# Altium PCB Electronic Load 20251104.PcbDoc (part 1 of 4) (continued)
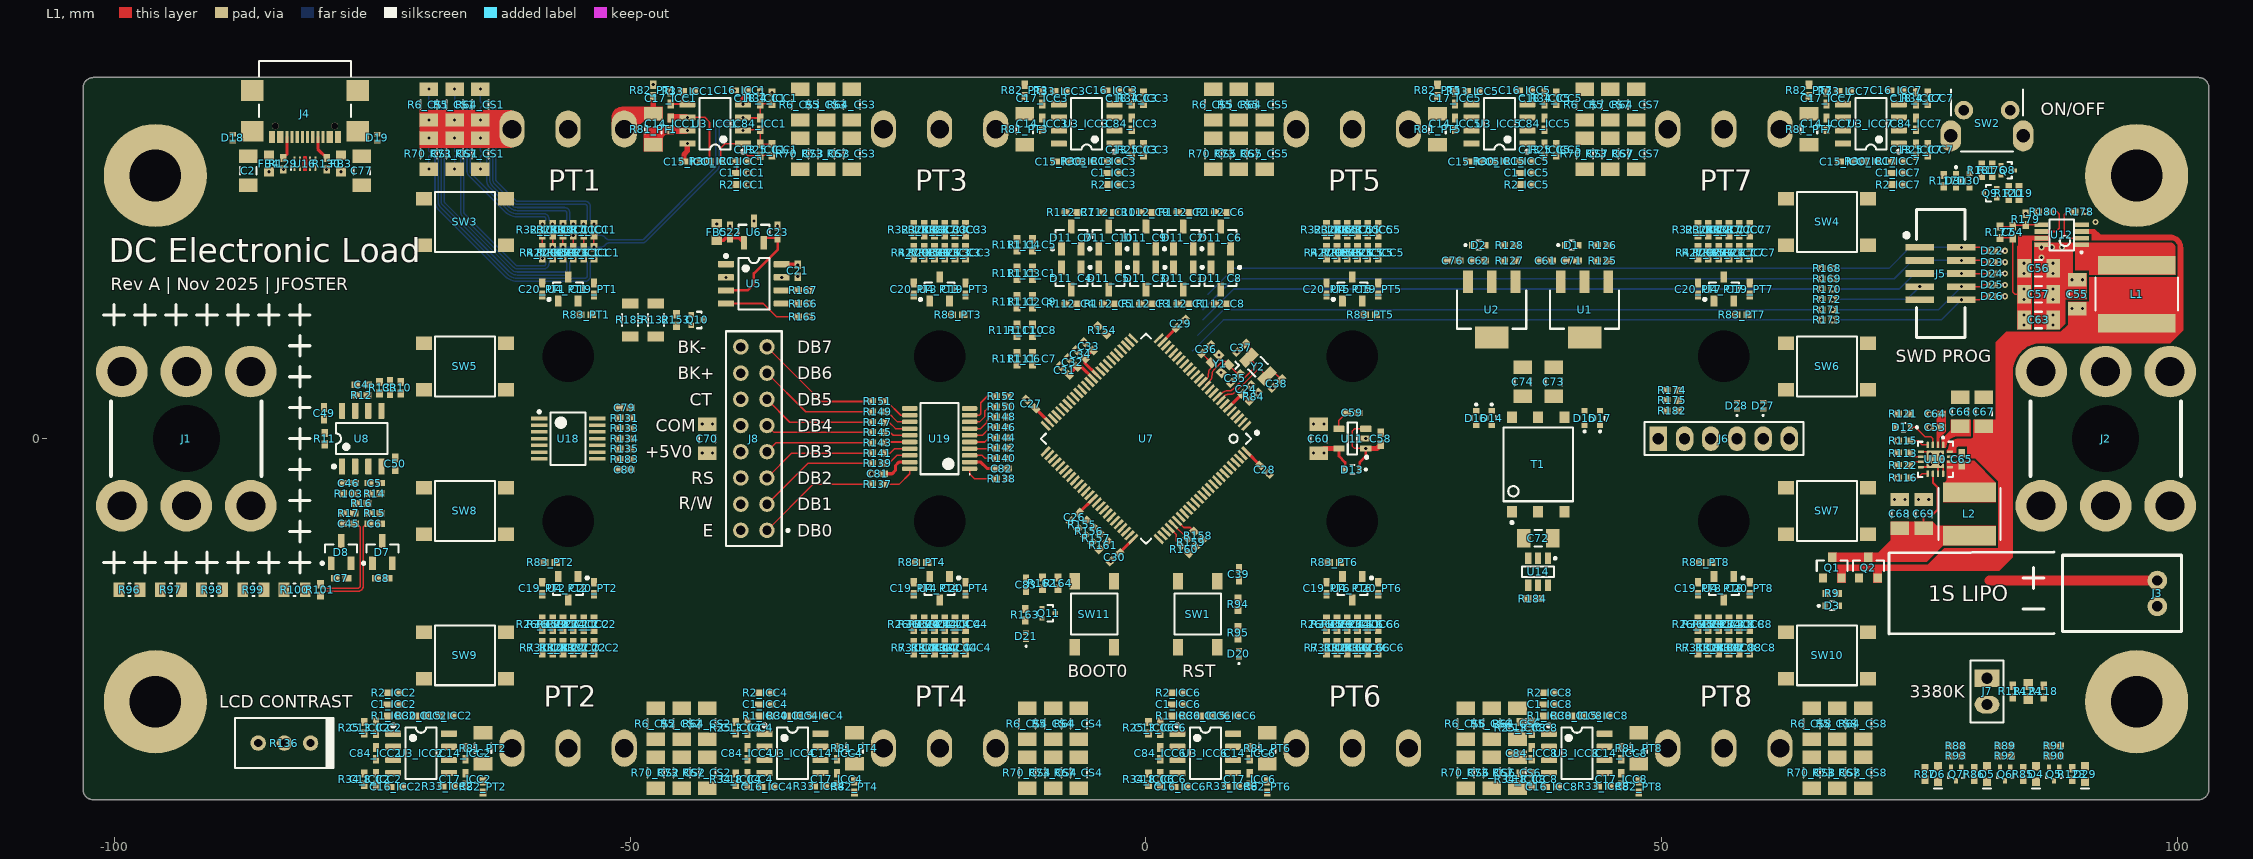
[diagram p0: L1 view]
## Components (designator, comment, footprint, x,y, rotation, side; value= is the part's Value field where it differs from the comment) (continued)
C19_PT4 "100nF,10%,50V,X7R,0402" CAPC1005X06N -22.5,-14.5 r90 top value=100n (schematic designator C19)
C19_PT5 "100nF,10%,50V,X7R,0402" CAPC1005X06N 22.5,14.5 r270 top value=100n (schematic designator C19)
C19_PT6 "100nF,10%,50V,X7R,0402" CAPC1005X06N 17.5,-14.5 r90 top value=100n (schematic designator C19)
C19_PT7 "100nF,10%,50V,X7R,0402" CAPC1005X06N 58.5,14.5 r270 top value=100n (schematic designator C19)
C19_PT8 "100nF,10%,50V,X7R,0402" CAPC1005X06N 53.5,-14.5 r90 top value=100n (schematic designator C19)
C20_PT1 "100nF,10%,50V,X7R,0402" CAPC1005X06N -58.5,14.5 r270 top value=100n (schematic designator C20)
C20_PT2 "100nF,10%,50V,X7R,0402" CAPC1005X06N -53.5,-14.5 r90 top value=100n (schematic designator C20)
C20_PT3 "100nF,10%,50V,X7R,0402" CAPC1005X06N -22.5,14.5 r270 top value=100n (schematic designator C20)
C20_PT4 "100nF,10%,50V,X7R,0402" CAPC1005X06N -17.5,-14.5 r90 top value=100n (schematic designator C20)
C20_PT5 "100nF,10%,50V,X7R,0402" CAPC1005X06N 17.5,14.5 r270 top value=100n (schematic designator C20)
C20_PT6 "100nF,10%,50V,X7R,0402" CAPC1005X06N 22.5,-14.5 r90 top value=100n (schematic designator C20)
C20_PT7 "100nF,10%,50V,X7R,0402" CAPC1005X06N 53.5,14.5 r270 top value=100n (schematic designator C20)
C20_PT8 "100nF,10%,50V,X7R,0402" CAPC1005X06N 58.5,-14.5 r90 top value=100n (schematic designator C20)
C21 "1uF,10%,35V,X7R,0402" CAPC1005X06N -33.75,16.27 r90 top value=1u
C22 "1uF,10%,35V,X7R,0402" CAPC1005X06N -40.3,20.025 r270 top value=1u
C23 "1uF,10%,35V,X7R,0402" CAPC1005X06N -35.7,20.025 r270 top value=1u
C24 "1uF,10%,35V,X7R,0402" CAPC1005X06N 9.723,4.773 r225 top value=1u
C26 "1uF,10%,35V,X7R,0402" CAPC1005X06N -6.894,-7.601 r45 top value=1u
C27 "1uF,10%,35V,X7R,0402" CAPC1005X06N -11.137,3.359 r315 top value=1u
C28 "1uF,10%,35V,X7R,0402" CAPC1005X06N 11.49,-3.005 r135 top value=1u
C29 "1uF,10%,35V,X7R,0402" CAPC1005X06N 3.359,11.137 r225 top value=1u
C30 "1uF,10%,35V,X7R,0402" CAPC1005X06N -3.005,-11.49 r45 top value=1u
C31 "1uF,10%,35V,X7R,0402" CAPC1005X06N -7.884,6.611 r315 top value=1u
C32 "1uF,10%,35V,X7R,0402" CAPC1005X06N -7.106,7.389 r315 top value=1u
C33 "1uF,10%,35V,X7R,0402" CAPC1005X06N -5.551,8.945 r315 top value=1u
C34 "1uF,10%,35V,X7R,0402" CAPC1005X06N -6.329,8.167 r315 top value=1u
C35 "5.1pF,+-0.1pF,50V,C0G,0402" CAPC1005X06N 8.662,5.834 r45 top value=5.1p
C36 "5.1pF,+-0.1pF,50V,C0G,0402" CAPC1005X06N 5.834,8.662 r225 top value=5.1p
C37 "6.8pF,+-0.1pF,50V,C0G,0402" CAPC1005X06N 9.228,8.803 r45 top value=6.8p
C38 "6.8pF,+-0.1pF,50V,C0G,0402" CAPC1005X06N 12.693,5.339 r45 top value=6.8p
C39 "100nF,10%,50V,X7R,0402" CAPC1005X06N 9,-13.15 r90 top value=100n
C45 "Omit,0402" CAPC1005X06N -77.27,-8.25 r0 top value=Omit
C46 "Omit,0402" CAPC1005X06N -77.27,-4.3 r0 top value=Omit
C49 "100nF,10%,50V,X7R,0402" CAPC1005X06N -79.65,2.45 r90 top value=100n
C50 "100nF,10%,50V,X7R,0402" CAPC1005X06N -72.75,-2.45 r270 top value=100n
C53 "1uF,10%,35V,X7R,0402" CAPC1005X06N 76.5,1.1 r0 top value=1u
C54 "Omit,0402" CAPC1005X06N 84,20 r270 top value=Omit
C55 "10uF,20%,50V,X5R,1206" CAPC3216X16N 90.25,14 r270 top value=10u
C56 "10uF,20%,50V,X5R,1206" CAPC3216X16N 86.5,16.5 r180 top value=10u
C57 "10uF,20%,50V,X5R,1206" CAPC3216X16N 86.5,14 r180 top value=10u
C58 "1uF,10%,35V,X7R,0402" CAPC1005X06N 22.75,0 r270 top value=1u
C59 "10nF,10%,25V,X7R,0402" CAPC1005X06N 20,2.5 r180 top value=10n
C60 "10uF,20%,50V,X5R,1206" CAPC3216X16N 16.75,0 r270 top value=10u
C61 "1uF,10%,35V,X7R,0402" CAPC1005X06N 38.749,17.25 r0 top value=1u
C62 "1uF,10%,35V,X7R,0402" CAPC1005X06N 32.249,17.25 r0 top value=1u
C63 "10uF,20%,50V,X5R,1206" CAPC3216X16N 86.5,11.5 r180 top value=10u
C64 "1uF,10%,35V,X7R,0402" CAPC1005X06N 76.5,2.4 r0 top value=1u
C65 "47nF,10%,50V,X7R,0402" CAPC1005X06N 79.05,-2 r90 top value=47n
C66 "10uF,20%,50V,X5R,1206" CAPC3216X16N 78.9,2.6 r270 top value=10u
C67 "10uF,20%,50V,X5R,1206" CAPC3216X16N 81.2,2.6 r270 top value=10u
C68 "10uF,20%,50V,X5R,1206" CAPC3216X16N 73.05,-7.3 r270 top value=10u
C69 "10uF,20%,50V,X5R,1206" CAPC3216X16N 75.35,-7.3 r270 top value=10u
C70 "10uF,20%,50V,X5R,1206" CAPC3216X16N -42.5,0 r270 top value=10u
C71 "1uF,10%,35V,X7R,0402" CAPC1005X06N 41.249,17.25 r0 top value=1u
C72 "10uF,20%,50V,X5R,1206" CAPC3216X16N 38,-9.65 r0 top value=10u
C73 "10uF,20%,50V,X5R,1206" CAPC3216X16N 39.5,5.5 r270 top value=10u
C74 "10uF,20%,50V,X5R,1206" CAPC3216X16N 36.5,5.5 r270 top value=10u
C76 "1uF,10%,35V,X7R,0402" CAPC1005X06N 29.749,17.25 r0 top value=1u
C77 "10uF,20%,50V,X5R,1206" CAPC3216X16N -76,25.95 r90 top value=10u
C79 "100nF,10%,50V,X7R,0402" CAPC1005X06N -50.5,3 r180 top value=100n
C80 "100nF,10%,50V,X7R,0402" CAPC1005X06N -50.5,-3 r180 top value=100n
C81 "100nF,10%,50V,X7R,0402" CAPC1005X06N -26,-3.4 r0 top value=100n
C82 "100nF,10%,50V,X7R,0402" CAPC1005X06N -14,-2.9 r180 top value=100n
C83 "100nF,10%,50V,X7R,0402" CAPC1005X06N -11.616,-14.15 r90 top value=100n
C84_ICC1 "Omit,0402" CAPC1005X06N -37.375,30.5 r270 top value=Omit (schematic designator C84)
C84_ICC2 "Omit,0402" CAPC1005X06N -74.625,-30.5 r90 top value=Omit (schematic designator C84)
C84_ICC3 "Omit,0402" CAPC1005X06N -1.375,30.5 r270 top value=Omit (schematic designator C84)
C84_ICC4 "Omit,0402" CAPC1005X06N -38.625,-30.5 r90 top value=Omit (schematic designator C84)
C84_ICC5 "Omit,0402" CAPC1005X06N 38.625,30.5 r270 top value=Omit (schematic designator C84)
C84_ICC6 "Omit,0402" CAPC1005X06N 1.375,-30.5 r90 top value=Omit (schematic designator C84)
C84_ICC7 "Omit,0402" CAPC1005X06N 74.625,30.5 r270 top value=Omit (schematic designator C84)
C84_ICC8 "Omit,0402" CAPC1005X06N 37.375,-30.5 r90 top value=Omit (schematic designator C84)
D1 "PMEG6002EB-QX" NEXPERIA_PKG_SOD523 41.249,18.75 r0 top
D2 "PMEG6002EB-QX" NEXPERIA_PKG_SOD523 32.249,18.75 r0 top
D3 "1N4148WT" ONSEMI_PKG_SOD-523F 66.5,-16.2 r0 top
D4 "Red" LITE-ON_LTST-C190KRKT 86.25,-32.5 r270 top
D5 "Yellow" LITE-ON_LTST-C190KSKT 81.5,-32.5 r270 top
D6 "Green" LITE-ON_LTST-C190KGKT 76.75,-32.5 r270 top
D7 "BAT54SLT1G" SOT95P240X120-3N -74,-11 r90 top
D8 "BAT54SLT1G" SOT95P240X120-3N -78,-11 r90 top
D11_C1 "BAT54SLT1G" SOT95P240X120-3N 3.62,15.525 r270 top (schematic designator D11)
D11_C2 "BAT54SLT1G" SOT95P240X120-3N 3.62,19.475 r90 top (schematic designator D11)
D11_C3 "BAT54SLT1G" SOT95P240X120-3N 0,15.525 r270 top (schematic designator D11)
D11_C4 "BAT54SLT1G" SOT95P240X120-3N -7.24,15.525 r270 top (schematic designator D11)
D11_C5 "BAT54SLT1G" SOT95P240X120-3N -3.62,15.525 r270 top (schematic designator D11)
D11_C6 "BAT54SLT1G" SOT95P240X120-3N 7.24,19.475 r90 top (schematic designator D11)
D11_C7 "BAT54SLT1G" SOT95P240X120-3N -7.24,19.475 r90 top (schematic designator D11)
D11_C8 "BAT54SLT1G" SOT95P240X120-3N 7.24,15.525 r270 top (schematic designator D11)
D11_C9 "BAT54SLT1G" SOT95P240X120-3N 0,19.475 r90 top (schematic designator D11)
D11_C10 "BAT54SLT1G" SOT95P240X120-3N -3.62,19.475 r90 top (schematic designator D11)
D12 "1N4148WT" ONSEMI_PKG_SOD-523F 73.4,1.1 r180 top
D13 "PMEG2010AEBF" NEXPERIA_PKG_SOD523 20,-3 r180 top
D14 "PMEG6002EB-QX" NEXPERIA_PKG_SOD523 33.5,2 r270 top
D15 "PMEG6002EB-QX" NEXPERIA_PKG_SOD523 42.5,2 r90 top
D16 "PMEG6002EB-QX" NEXPERIA_PKG_SOD523 32,2 r270 top
D17 "PMEG6002EB-QX" NEXPERIA_PKG_SOD523 44,2 r90 top
D18 "ESDSLC5V0LB-TP" MICROCOMMERCIAL_DFN1006-2_NPOL -88.5,29.15 r90 top
D19 "ESDSLC5V0LB-TP" MICROCOMMERCIAL_DFN1006-2_NPOL -74.5,29.15 r90 top
D20 "ESDSLC3V3LB-TP" DFN65P100X50-2N 9,-20.849 r90 top
D21 "ESDSLC3V3LB-TP" DFN65P100X50-2N -11.616,-19.166 r90 top
D22 "ESDSLC3V3LB-TP" DFN65P100X50-2N 82,18.2 r180 top
D23 "ESDSLC3V3LB-TP" DFN65P100X50-2N 82,17.1 r180 top
D24 "ESDSLC3V3LB-TP" DFN65P100X50-2N 82,16 r180 top
D25 "ESDSLC3V3LB-TP" DFN65P100X50-2N 82,14.9 r180 top
D26 "ESDSLC3V3LB-TP" DFN65P100X50-2N 82,13.8 r180 top
D27 "ESDSLC3V3LB-TP" DFN65P100X50-2N 59.81,3.2 r90 top
D28 "ESDSLC3V3LB-TP" DFN65P100X50-2N 57.27,3.2 r90 top
D29 "Red" LITE-ON_LTST-C190KRKT 91,-32.5 r270 top
D30 "1N4148WT" ONSEMI_PKG_SOD-523F 79.8,25 r270 top
D31 "1N4148WT" ONSEMI_PKG_SOD-523F 78.5,25 r270 top
FB1 "600R,0603" INDC_0603 -6.435,5.94 r315 bottom
FB2 "600R,0603" INDC_0603 -4.879,7.495 r315 bottom
FB3 "600R,0603" INDC_0603 -78,26.65 r270 top
FB4 "600R,0603" INDC_0603 -85,26.65 r270 top
FB5 "600R,0603" INDC_0603 -41.6,20.025 r90 top
J1 "TT56145145-1520" XFCN_TT56145145-1520 -93,0 r90 top locked
J2 "TT56145145-1520" XFCN_TT56145145-1520 93,0 r90 top locked
J3 "S2B-XH-A" JST_S2B-XH-A 98,-15 r270 top locked
J4 "USB4110-GF-A" GCT_USB4110-GF-A -81.5,30.304 r180 top locked
J5 "3221-10-0300-00" "CNC Tech_3221-10-0300-00" 77,16 r0 top
J6 "Term,Header,6 Pin,Top,2.54mm" WURTH_61300611121 56,0 r0 top
J7 "Term,Header,2 Pin,Top,2.54mm" WURTH_61300211121 81.5,-24.5 r270 top
J8 "PPPC082LFBN-RC" SULLINS_PPPC082LFBN-RC -38,0 r180 top
L1 "4.7uH,4A,Wirewound,SMD" TAIYO-YUDEN_NRS8030T4R7MJGJ 96,14 r90 top value=4.7u
L2 "1uH,30%,6A,Wirewound,SMD" TDK_VLS6045EX 79.802,-7.3 r90 top
NT1_CS1 "NETTIE" NETTIE_150X300UM -64.5,28.75 r90 bottom net-tie (schematic designator NT1)
NT1_CS2 "NETTIE" NETTIE_150X300UM -42.5,-31.25 r90 bottom net-tie (schematic designator NT1)
NT1_CS3 "NETTIE" NETTIE_150X300UM -28.5,28.75 r90 bottom net-tie (schematic designator NT1)
NT1_CS4 "NETTIE" NETTIE_150X300UM -6.5,-31.25 r90 bottom net-tie (schematic designator NT1)
NT1_CS5 "NETTIE" NETTIE_150X300UM 11.5,28.75 r90 bottom net-tie (schematic designator NT1)
NT1_CS6 "NETTIE" NETTIE_150X300UM 36,-31.25 r90 bottom net-tie (schematic designator NT1)
NT1_CS7 "NETTIE" NETTIE_150X300UM 47.5,28.75 r90 bottom net-tie (schematic designator NT1)
NT1_CS8 "NETTIE" NETTIE_150X300UM 69.5,-31.25 r90 bottom net-tie (schematic designator NT1)
NT2_CS1 "NETTIE" NETTIE_150X300UM -64.5,33.5 r90 bottom net-tie (schematic designator NT2)
NT2_CS2 "NETTIE" NETTIE_150X300UM -42.5,-26.5 r90 bottom net-tie (schematic designator NT2)
NT2_CS3 "NETTIE" NETTIE_150X300UM -28.5,33.5 r90 bottom net-tie (schematic designator NT2)
NT2_CS4 "NETTIE" NETTIE_150X300UM -6.5,-26.5 r90 bottom net-tie (schematic designator NT2)
NT2_CS5 "NETTIE" NETTIE_150X300UM 11.5,33.5 r90 bottom net-tie (schematic designator NT2)
NT2_CS6 "NETTIE" NETTIE_150X300UM 36,-26.5 r90 bottom net-tie (schematic designator NT2)
NT2_CS7 "NETTIE" NETTIE_150X300UM 47.5,33.5 r90 bottom net-tie (schematic designator NT2)
NT2_CS8 "NETTIE" NETTIE_150X300UM 69.5,-26.5 r90 bottom net-tie (schematic designator NT2)
NT3_CS1 "NETTIE" NETTIE_150X300UM -67,28.75 r90 bottom net-tie (schematic designator NT3)
NT3_CS2 "NETTIE" NETTIE_150X300UM -45,-31.25 r90 bottom net-tie (schematic designator NT3)
NT3_CS3 "NETTIE" NETTIE_150X300UM -31,28.75 r90 bottom net-tie (schematic designator NT3)
NT3_CS4 "NETTIE" NETTIE_150X300UM -9,-31.25 r90 bottom net-tie (schematic designator NT3)
NT3_CS5 "NETTIE" NETTIE_150X300UM 9,28.75 r90 bottom net-tie (schematic designator NT3)
NT3_CS6 "NETTIE" NETTIE_150X300UM 33.5,-31.25 r90 bottom net-tie (schematic designator NT3)
NT3_CS7 "NETTIE" NETTIE_150X300UM 45,28.75 r90 bottom net-tie (schematic designator NT3)
NT3_CS8 "NETTIE" NETTIE_150X300UM 67,-31.25 r90 bottom net-tie (schematic designator NT3)
NT4_CS1 "NETTIE" NETTIE_150X300UM -67,33.5 r90 bottom net-tie (schematic designator NT4)
NT4_CS2 "NETTIE" NETTIE_150X300UM -45,-26.5 r90 bottom net-tie (schematic designator NT4)
NT4_CS3 "NETTIE" NETTIE_150X300UM -31,33.5 r90 bottom net-tie (schematic designator NT4)
NT4_CS4 "NETTIE" NETTIE_150X300UM -9,-26.5 r90 bottom net-tie (schematic designator NT4)
NT4_CS5 "NETTIE" NETTIE_150X300UM 9,33.5 r90 bottom net-tie (schematic designator NT4)
NT4_CS6 "NETTIE" NETTIE_150X300UM 33.5,-26.5 r90 bottom net-tie (schematic designator NT4)
NT4_CS7 "NETTIE" NETTIE_150X300UM 45,33.5 r90 bottom net-tie (schematic designator NT4)
NT4_CS8 "NETTIE" NETTIE_150X300UM 67,-26.5 r90 bottom net-tie (schematic designator NT4)
NT5_CS1 "NETTIE" NETTIE_150X300UM -69.5,28.75 r90 bottom net-tie (schematic designator NT5)
NT5_CS2 "NETTIE" NETTIE_150X300UM -47.5,-31.25 r90 bottom net-tie (schematic designator NT5)
NT5_CS3 "NETTIE" NETTIE_150X300UM -33.5,28.75 r90 bottom net-tie (schematic designator NT5)
NT5_CS4 "NETTIE" NETTIE_150X300UM -11.5,-31.25 r90 bottom net-tie (schematic designator NT5)
NT5_CS5 "NETTIE" NETTIE_150X300UM 6.5,28.75 r90 bottom net-tie (schematic designator NT5)
NT5_CS6 "NETTIE" NETTIE_150X300UM 31,-31.25 r90 bottom net-tie (schematic designator NT5)
NT5_CS7 "NETTIE" NETTIE_150X300UM 42.5,28.75 r90 bottom net-tie (schematic designator NT5)
NT5_CS8 "NETTIE" NETTIE_150X300UM 64.5,-31.25 r90 bottom net-tie (schematic designator NT5)
NT6_CS1 "NETTIE" NETTIE_150X300UM -69.5,33.5 r90 bottom net-tie (schematic designator NT6)
NT6_CS2 "NETTIE" NETTIE_150X300UM -47.5,-26.5 r90 bottom net-tie (schematic designator NT6)
NT6_CS3 "NETTIE" NETTIE_150X300UM -33.5,33.5 r90 bottom net-tie (schematic designator NT6)
NT6_CS4 "NETTIE" NETTIE_150X300UM -11.5,-26.5 r90 bottom net-tie (schematic designator NT6)
NT6_CS5 "NETTIE" NETTIE_150X300UM 6.5,33.5 r90 bottom net-tie (schematic designator NT6)
NT6_CS6 "NETTIE" NETTIE_150X300UM 31,-26.5 r90 bottom net-tie (schematic designator NT6)
NT6_CS7 "NETTIE" NETTIE_150X300UM 42.5,33.5 r90 bottom net-tie (schematic designator NT6)
NT6_CS8 "NETTIE" NETTIE_150X300UM 64.5,-26.5 r90 bottom net-tie (schematic designator NT6)
NT7_CS1 "NETTIE" NETTIE_150X300UM -69.5,31.25 r270 bottom net-tie (schematic designator NT7)
NT7_CS2 "NETTIE" NETTIE_150X300UM -47.5,-28.75 r270 bottom net-tie (schematic designator NT7)
NT7_CS3 "NETTIE" NETTIE_150X300UM -33.5,31.25 r270 bottom net-tie (schematic designator NT7)
NT7_CS4 "NETTIE" NETTIE_150X300UM -11.5,-28.75 r270 bottom net-tie (schematic designator NT7)
NT7_CS5 "NETTIE" NETTIE_150X300UM 6.5,31.25 r270 bottom net-tie (schematic designator NT7)
NT7_CS6 "NETTIE" NETTIE_150X300UM 31,-28.75 r270 bottom net-tie (schematic designator NT7)
NT7_CS7 "NETTIE" NETTIE_150X300UM 42.5,31.25 r270 bottom net-tie (schematic designator NT7)
NT7_CS8 "NETTIE" NETTIE_150X300UM 64.5,-28.75 r270 bottom net-tie (schematic designator NT7)
NT8_CS1 "NETTIE" NETTIE_150X300UM -64.5,26.5 r270 bottom net-tie (schematic designator NT8)
NT8_CS2 "NETTIE" NETTIE_150X300UM -42.5,-33.5 r270 bottom net-tie (schematic designator NT8)
NT8_CS3 "NETTIE" NETTIE_150X300UM -28.5,26.5 r270 bottom net-tie (schematic designator NT8)
NT8_CS4 "NETTIE" NETTIE_150X300UM -6.5,-33.5 r270 bottom net-tie (schematic designator NT8)
NT8_CS5 "NETTIE" NETTIE_150X300UM 11.5,26.5 r270 bottom net-tie (schematic designator NT8)
NT8_CS6 "NETTIE" NETTIE_150X300UM 36,-33.5 r270 bottom net-tie (schematic designator NT8)
NT8_CS7 "NETTIE" NETTIE_150X300UM 47.5,26.5 r270 bottom net-tie (schematic designator NT8)
NT8_CS8 "NETTIE" NETTIE_150X300UM 69.5,-33.5 r270 bottom net-tie (schematic designator NT8)
NT9_CS1 "NETTIE" NETTIE_150X300UM -67,31.25 r270 bottom net-tie (schematic designator NT9)
NT9_CS2 "NETTIE" NETTIE_150X300UM -45,-28.75 r270 bottom net-tie (schematic designator NT9)
NT9_CS3 "NETTIE" NETTIE_150X300UM -31,31.25 r270 bottom net-tie (schematic designator NT9)
NT9_CS4 "NETTIE" NETTIE_150X300UM -9,-28.75 r270 bottom net-tie (schematic designator NT9)
NT9_CS5 "NETTIE" NETTIE_150X300UM 9,31.25 r270 bottom net-tie (schematic designator NT9)
NT9_CS6 "NETTIE" NETTIE_150X300UM 33.5,-28.75 r270 bottom net-tie (schematic designator NT9)
NT9_CS7 "NETTIE" NETTIE_150X300UM 45,31.25 r270 bottom net-tie (schematic designator NT9)
NT9_CS8 "NETTIE" NETTIE_150X300UM 67,-28.75 r270 bottom net-tie (schematic designator NT9)
NT10_CS1 "NETTIE" NETTIE_150X300UM -67,26.5 r270 bottom net-tie (schematic designator NT10)
NT10_CS2 "NETTIE" NETTIE_150X300UM -45,-33.5 r270 bottom net-tie (schematic designator NT10)
NT10_CS3 "NETTIE" NETTIE_150X300UM -31,26.5 r270 bottom net-tie (schematic designator NT10)
NT10_CS4 "NETTIE" NETTIE_150X300UM -9,-33.5 r270 bottom net-tie (schematic designator NT10)
NT10_CS5 "NETTIE" NETTIE_150X300UM 9,26.5 r270 bottom net-tie (schematic designator NT10)
NT10_CS6 "NETTIE" NETTIE_150X300UM 33.5,-33.5 r270 bottom net-tie (schematic designator NT10)
NT10_CS7 "NETTIE" NETTIE_150X300UM 45,26.5 r270 bottom net-tie (schematic designator NT10)
NT10_CS8 "NETTIE" NETTIE_150X300UM 67,-33.5 r270 bottom net-tie (schematic designator NT10)
NT11_CS1 "NETTIE" NETTIE_150X300UM -64.5,31.25 r270 bottom net-tie (schematic designator NT11)
NT11_CS2 "NETTIE" NETTIE_150X300UM -42.5,-28.75 r270 bottom net-tie (schematic designator NT11)
NT11_CS3 "NETTIE" NETTIE_150X300UM -28.5,31.25 r270 bottom net-tie (schematic designator NT11)
NT11_CS4 "NETTIE" NETTIE_150X300UM -6.5,-28.75 r270 bottom net-tie (schematic designator NT11)
NT11_CS5 "NETTIE" NETTIE_150X300UM 11.5,31.25 r270 bottom net-tie (schematic designator NT11)
NT11_CS6 "NETTIE" NETTIE_150X300UM 36,-28.75 r270 bottom net-tie (schematic designator NT11)
NT11_CS7 "NETTIE" NETTIE_150X300UM 47.5,31.25 r270 bottom net-tie (schematic designator NT11)
NT11_CS8 "NETTIE" NETTIE_150X300UM 69.5,-28.75 r270 bottom net-tie (schematic designator NT11)
NT12_CS1 "NETTIE" NETTIE_150X300UM -69.5,26.5 r270 bottom net-tie (schematic designator NT12)
NT12_CS2 "NETTIE" NETTIE_150X300UM -47.5,-33.5 r270 bottom net-tie (schematic designator NT12)
NT12_CS3 "NETTIE" NETTIE_150X300UM -33.5,26.5 r270 bottom net-tie (schematic designator NT12)
NT12_CS4 "NETTIE" NETTIE_150X300UM -11.5,-33.5 r270 bottom net-tie (schematic designator NT12)
NT12_CS5 "NETTIE" NETTIE_150X300UM 6.5,26.5 r270 bottom net-tie (schematic designator NT12)
NT12_CS6 "NETTIE" NETTIE_150X300UM 31,-33.5 r270 bottom net-tie (schematic designator NT12)
NT12_CS7 "NETTIE" NETTIE_150X300UM 42.5,26.5 r270 bottom net-tie (schematic designator NT12)
NT12_CS8 "NETTIE" NETTIE_150X300UM 64.5,-33.5 r270 bottom net-tie (schematic designator NT12)
Q1 "DMP3099L-7" DIODES_SOT23 66.5,-12.5 r90 top
Q2 "DMP3099L-7" DIODES_SOT23 70,-12.5 r90 top
Q4_PT1 "GBS65041TOB" GOSEMICON_PKG_TO-247 -56,30 r180 bottom locked (schematic designator Q4)
Q4_PT2 "GBS65041TOB" GOSEMICON_PKG_TO-247 -56,-30 r0 bottom locked (schematic designator Q4)
Q4_PT3 "GBS65041TOB" GOSEMICON_PKG_TO-247 -20,30 r180 bottom locked (schematic designator Q4)
Q4_PT4 "GBS65041TOB" GOSEMICON_PKG_TO-247 -20,-30 r0 bottom locked (schematic designator Q4)
Q4_PT5 "GBS65041TOB" GOSEMICON_PKG_TO-247 20,30 r180 bottom locked (schematic designator Q4)
Q4_PT6 "GBS65041TOB" GOSEMICON_PKG_TO-247 20,-30 r0 bottom locked (schematic designator Q4)
Q4_PT7 "GBS65041TOB" GOSEMICON_PKG_TO-247 56,30 r180 bottom locked (schematic designator Q4)
Q4_PT8 "GBS65041TOB" GOSEMICON_PKG_TO-247 56,-30 r0 bottom locked (schematic designator Q4)
Q5 "MMBT2222AT-7-F" SOTFL50P160X90-3N 88,-32.5 r270 top
Q6 "MMBT2222AT-7-F" SOTFL50P160X90-3N 83.25,-32.5 r270 top
Q7 "MMBT2222AT-7-F" SOTFL50P160X90-3N 78.5,-32.5 r270 top
Q8 "MMBT4403T-7-F" DIODES_SOT523 83.5,26 r0 top
Q9 "MMBT2222AT-7-F" SOTFL50P160X90-3N 81.8,23.8 r180 top
Q10 "FDY102PZ" ONSEMI_SC-89 -43.5,11.5 r0 top
Q11 "MMBT2222AT-7-F" SOTFL50P160X90-3N -9.433,-16.908 r0 top
R1_ICC1 "0R0,0402" RESC1005X04N -39.125,26.875 r0 top value=0 (schematic designator R1)
R1_ICC2 "0R0,0402" RESC1005X04N -72.875,-26.875 r180 top value=0 (schematic designator R1)
R1_ICC3 "0R0,0402" RESC1005X04N -3.125,26.875 r0 top value=0 (schematic designator R1)
R1_ICC4 "0R0,0402" RESC1005X04N -36.875,-26.875 r180 top value=0 (schematic designator R1)
R1_ICC5 "0R0,0402" RESC1005X04N 36.875,26.875 r0 top value=0 (schematic designator R1)
R1_ICC6 "0R0,0402" RESC1005X04N 3.125,-26.875 r180 top value=0 (schematic designator R1)
R1_ICC7 "0R0,0402" RESC1005X04N 72.875,26.875 r0 top value=0 (schematic designator R1)
R1_ICC8 "0R0,0402" RESC1005X04N 39.125,-26.875 r180 top value=0 (schematic designator R1)
R2_ICC1 "Omit" RESC1005X04N -39.125,24.625 r180 top (schematic designator R2)
R2_ICC2 "Omit" RESC1005X04N -72.875,-24.625 r0 top (schematic designator R2)
R2_ICC3 "Omit" RESC1005X04N -3.125,24.625 r180 top (schematic designator R2)
R2_ICC4 "Omit" RESC1005X04N -36.875,-24.625 r0 top (schematic designator R2)
R2_ICC5 "Omit" RESC1005X04N 36.875,24.625 r180 top (schematic designator R2)
R2_ICC6 "Omit" RESC1005X04N 3.125,-24.625 r0 top (schematic designator R2)
R2_ICC7 "Omit" RESC1005X04N 72.875,24.625 r180 top (schematic designator R2)
R2_ICC8 "Omit" RESC1005X04N 39.125,-24.625 r0 top (schematic designator R2)
R3_ICC1 "1k,0.1%,0.063W,0402" RESC1005X04N -57.5,20.25 r90 top value=1k (schematic designator R3)
R3_ICC2 "1k,0.1%,0.063W,0402" RESC1005X04N -54.5,-20.25 r270 top value=1k (schematic designator R3)
R3_ICC3 "1k,0.1%,0.063W,0402" RESC1005X04N -21.5,20.25 r90 top value=1k (schematic designator R3)
R3_ICC4 "1k,0.1%,0.063W,0402" RESC1005X04N -18.5,-20.25 r270 top value=1k (schematic designator R3)
R3_ICC5 "1k,0.1%,0.063W,0402" RESC1005X04N 18.5,20.25 r90 top value=1k (schematic designator R3)
R3_ICC6 "1k,0.1%,0.063W,0402" RESC1005X04N 21.5,-20.25 r270 top value=1k (schematic designator R3)
R3_ICC7 "1k,0.1%,0.063W,0402" RESC1005X04N 54.5,20.25 r90 top value=1k (schematic designator R3)
R3_ICC8 "1k,0.1%,0.063W,0402" RESC1005X04N 57.5,-20.25 r270 top value=1k (schematic designator R3)
R4_ICC1 "1k,0.1%,0.063W,0402" RESC1005X04N -58.5,18 r270 top value=1k (schematic designator R4)
R4_ICC2 "1k,0.1%,0.063W,0402" RESC1005X04N -53.5,-18 r90 top value=1k (schematic designator R4)
R4_ICC3 "1k,0.1%,0.063W,0402" RESC1005X04N -22.5,18 r270 top value=1k (schematic designator R4)
R4_ICC4 "1k,0.1%,0.063W,0402" RESC1005X04N -17.5,-18 r90 top value=1k (schematic designator R4)
R4_ICC5 "1k,0.1%,0.063W,0402" RESC1005X04N 17.5,18 r270 top value=1k (schematic designator R4)
R4_ICC6 "1k,0.1%,0.063W,0402" RESC1005X04N 22.5,-18 r90 top value=1k (schematic designator R4)
R4_ICC7 "1k,0.1%,0.063W,0402" RESC1005X04N 53.5,18 r270 top value=1k (schematic designator R4)
R4_ICC8 "1k,0.1%,0.063W,0402" RESC1005X04N 58.5,-18 r90 top value=1k (schematic designator R4)
R5_CS1 "0R02,1%,0.33W,1206" RESC3216X06N -67,32.375 r270 top value=0.02 (schematic designator R5)
R5_CS2 "0R02,1%,0.33W,1206" RESC3216X06N -45,-27.625 r270 top value=0.02 (schematic designator R5)
R5_CS3 "0R02,1%,0.33W,1206" RESC3216X06N -31,32.375 r270 top value=0.02 (schematic designator R5)
R5_CS4 "0R02,1%,0.33W,1206" RESC3216X06N -9,-27.625 r270 top value=0.02 (schematic designator R5)
R5_CS5 "0R02,1%,0.33W,1206" RESC3216X06N 9,32.375 r270 top value=0.02 (schematic designator R5)
R5_CS6 "0R02,1%,0.33W,1206" RESC3216X06N 33.5,-27.625 r270 top value=0.02 (schematic designator R5)
R5_CS7 "0R02,1%,0.33W,1206" RESC3216X06N 45,32.375 r270 top value=0.02 (schematic designator R5)
R5_CS8 "0R02,1%,0.33W,1206" RESC3216X06N 67,-27.625 r270 top value=0.02 (schematic designator R5)
R6_CS1 "0R02,1%,0.33W,1206" RESC3216X06N -69.5,32.375 r270 top value=0.02 (schematic designator R6)
R6_CS2 "0R02,1%,0.33W,1206" RESC3216X06N -47.5,-27.625 r270 top value=0.02 (schematic designator R6)
R6_CS3 "0R02,1%,0.33W,1206" RESC3216X06N -33.5,32.375 r270 top value=0.02 (schematic designator R6)
R6_CS4 "0R02,1%,0.33W,1206" RESC3216X06N -11.5,-27.625 r270 top value=0.02 (schematic designator R6)
R6_CS5 "0R02,1%,0.33W,1206" RESC3216X06N 6.5,32.375 r270 top value=0.02 (schematic designator R6)
R6_CS6 "0R02,1%,0.33W,1206" RESC3216X06N 31,-27.625 r270 top value=0.02 (schematic designator R6)
R6_CS7 "0R02,1%,0.33W,1206" RESC3216X06N 42.5,32.375 r270 top value=0.02 (schematic designator R6)
R6_CS8 "0R02,1%,0.33W,1206" RESC3216X06N 64.5,-27.625 r270 top value=0.02 (schematic designator R6)
R7_ICC1 "1k,0.1%,0.063W,0402" RESC1005X04N -53.5,20.25 r90 top value=1k (schematic designator R7)
R7_ICC2 "1k,0.1%,0.063W,0402" RESC1005X04N -58.5,-20.25 r270 top value=1k (schematic designator R7)
R7_ICC3 "1k,0.1%,0.063W,0402" RESC1005X04N -17.5,20.25 r90 top value=1k (schematic designator R7)
R7_ICC4 "1k,0.1%,0.063W,0402" RESC1005X04N -22.5,-20.25 r270 top value=1k (schematic designator R7)
R7_ICC5 "1k,0.1%,0.063W,0402" RESC1005X04N 22.5,20.25 r90 top value=1k (schematic designator R7)
R7_ICC6 "1k,0.1%,0.063W,0402" RESC1005X04N 17.5,-20.25 r270 top value=1k (schematic designator R7)
R7_ICC7 "1k,0.1%,0.063W,0402" RESC1005X04N 58.5,20.25 r90 top value=1k (schematic designator R7)
R7_ICC8 "1k,0.1%,0.063W,0402" RESC1005X04N 53.5,-20.25 r270 top value=1k (schematic designator R7)
R8_ICC1 "1k,0.1%,0.063W,0402" RESC1005X04N -55.5,20.25 r90 top value=1k (schematic designator R8)
R8_ICC2 "1k,0.1%,0.063W,0402" RESC1005X04N -56.5,-20.25 r270 top value=1k (schematic designator R8)
R8_ICC3 "1k,0.1%,0.063W,0402" RESC1005X04N -19.5,20.25 r90 top value=1k (schematic designator R8)
R8_ICC4 "1k,0.1%,0.063W,0402" RESC1005X04N -20.5,-20.25 r270 top value=1k (schematic designator R8)
R8_ICC5 "1k,0.1%,0.063W,0402" RESC1005X04N 20.5,20.25 r90 top value=1k (schematic designator R8)
R8_ICC6 "1k,0.1%,0.063W,0402" RESC1005X04N 19.5,-20.25 r270 top value=1k (schematic designator R8)
R8_ICC7 "1k,0.1%,0.063W,0402" RESC1005X04N 56.5,20.25 r90 top value=1k (schematic designator R8)
R8_ICC8 "1k,0.1%,0.063W,0402" RESC1005X04N 55.5,-20.25 r270 top value=1k (schematic designator R8)
R9 "100k,1%,0.063W,0402" RESC1005X04N 66.5,-15 r180 top value=100k
R10 "10k,0.1%,0.063W,0402" RESC1005X04N -72.225,4.95 r90 top value=10k
R11 "1k,0.1%,0.063W,0402" RESC1005X04N -79.575,0 r90 top value=1k
R12 "10k,0.1%,0.063W,0402" RESC1005X04N -76,4.2 r180 top value=10k
R13 "1k,0.1%,0.063W,0402" RESC1005X04N -74.275,4.95 r270 top value=1k
R14 "1k,0.1%,0.063W,0402" RESC1005X04N -74.73,-5.325 r0 top value=1k
R15 "1k,0.1%,0.063W,0402" RESC1005X04N -74.73,-7.225 r0 top value=1k
R16 "Omit" RESC1005X04N -76,-6.275 r0 top
R17 "1k,0.1%,0.063W,0402" RESC1005X04N -77.27,-7.225 r180 top value=1k
R25_ICC1 "6k81,0.1%,0.063W,0402" RESC1005X04N -36.25,28 r90 top value=6k81 (schematic designator R25)
R25_ICC2 "6k81,0.1%,0.063W,0402" RESC1005X04N -75.75,-28 r270 top value=6k81 (schematic designator R25)
R25_ICC3 "6k81,0.1%,0.063W,0402" RESC1005X04N -0.25,28 r90 top value=6k81 (schematic designator R25)
R25_ICC4 "6k81,0.1%,0.063W,0402" RESC1005X04N -39.75,-28 r270 top value=6k81 (schematic designator R25)
R25_ICC5 "6k81,0.1%,0.063W,0402" RESC1005X04N 39.75,28 r90 top value=6k81 (schematic designator R25)
R25_ICC6 "6k81,0.1%,0.063W,0402" RESC1005X04N 0.25,-28 r270 top value=6k81 (schematic designator R25)
R25_ICC7 "6k81,0.1%,0.063W,0402" RESC1005X04N 75.75,28 r90 top value=6k81 (schematic designator R25)
R25_ICC8 "6k81,0.1%,0.063W,0402" RESC1005X04N 36.25,-28 r270 top value=6k81 (schematic designator R25)
R26_ICC1 "1k,0.1%,0.063W,0402" RESC1005X04N -53.5,18 r270 top value=1k (schematic designator R26)
R26_ICC2 "1k,0.1%,0.063W,0402" RESC1005X04N -58.5,-18 r90 top value=1k (schematic designator R26)
R26_ICC3 "1k,0.1%,0.063W,0402" RESC1005X04N -17.5,18 r270 top value=1k (schematic designator R26)
R26_ICC4 "1k,0.1%,0.063W,0402" RESC1005X04N -22.5,-18 r90 top value=1k (schematic designator R26)
R26_ICC5 "1k,0.1%,0.063W,0402" RESC1005X04N 22.5,18 r270 top value=1k (schematic designator R26)
R26_ICC6 "1k,0.1%,0.063W,0402" RESC1005X04N 17.5,-18 r90 top value=1k (schematic designator R26)
R26_ICC7 "1k,0.1%,0.063W,0402" RESC1005X04N 58.5,18 r270 top value=1k (schematic designator R26)
R26_ICC8 "1k,0.1%,0.063W,0402" RESC1005X04N 53.5,-18 r90 top value=1k (schematic designator R26)
R27_ICC1 "1k,0.1%,0.063W,0402" RESC1005X04N -57.5,18 r270 top value=1k (schematic designator R27)
R27_ICC2 "1k,0.1%,0.063W,0402" RESC1005X04N -54.5,-18 r90 top value=1k (schematic designator R27)
R27_ICC3 "1k,0.1%,0.063W,0402" RESC1005X04N -21.5,18 r270 top value=1k (schematic designator R27)
R27_ICC4 "1k,0.1%,0.063W,0402" RESC1005X04N -18.5,-18 r90 top value=1k (schematic designator R27)
R27_ICC5 "1k,0.1%,0.063W,0402" RESC1005X04N 18.5,18 r270 top value=1k (schematic designator R27)
R27_ICC6 "1k,0.1%,0.063W,0402" RESC1005X04N 21.5,-18 r90 top value=1k (schematic designator R27)
R27_ICC7 "1k,0.1%,0.063W,0402" RESC1005X04N 54.5,18 r270 top value=1k (schematic designator R27)
R27_ICC8 "1k,0.1%,0.063W,0402" RESC1005X04N 57.5,-18 r90 top value=1k (schematic designator R27)
R28_ICC1 "1k,0.1%,0.063W,0402" RESC1005X04N -56.5,20.25 r90 top value=1k (schematic designator R28)
R28_ICC2 "1k,0.1%,0.063W,0402" RESC1005X04N -55.5,-20.25 r270 top value=1k (schematic designator R28)
R28_ICC3 "1k,0.1%,0.063W,0402" RESC1005X04N -20.5,20.25 r90 top value=1k (schematic designator R28)
R28_ICC4 "1k,0.1%,0.063W,0402" RESC1005X04N -19.5,-20.25 r270 top value=1k (schematic designator R28)
R28_ICC5 "1k,0.1%,0.063W,0402" RESC1005X04N 19.5,20.25 r90 top value=1k (schematic designator R28)
R28_ICC6 "1k,0.1%,0.063W,0402" RESC1005X04N 20.5,-20.25 r270 top value=1k (schematic designator R28)
R28_ICC7 "1k,0.1%,0.063W,0402" RESC1005X04N 55.5,20.25 r90 top value=1k (schematic designator R28)
R28_ICC8 "1k,0.1%,0.063W,0402" RESC1005X04N 56.5,-20.25 r270 top value=1k (schematic designator R28)
R29_ICC1 "1k,0.1%,0.063W,0402" RESC1005X04N -56.5,18 r270 top value=1k (schematic designator R29)
R29_ICC2 "1k,0.1%,0.063W,0402" RESC1005X04N -55.5,-18 r90 top value=1k (schematic designator R29)
R29_ICC3 "1k,0.1%,0.063W,0402" RESC1005X04N -20.5,18 r270 top value=1k (schematic designator R29)
R29_ICC4 "1k,0.1%,0.063W,0402" RESC1005X04N -19.5,-18 r90 top value=1k (schematic designator R29)
R29_ICC5 "1k,0.1%,0.063W,0402" RESC1005X04N 19.5,18 r270 top value=1k (schematic designator R29)
R29_ICC6 "1k,0.1%,0.063W,0402" RESC1005X04N 20.5,-18 r90 top value=1k (schematic designator R29)
R29_ICC7 "1k,0.1%,0.063W,0402" RESC1005X04N 55.5,18 r270 top value=1k (schematic designator R29)
R29_ICC8 "1k,0.1%,0.063W,0402" RESC1005X04N 56.5,-18 r90 top value=1k (schematic designator R29)
R30_ICC1 "10k,5%,0.063W,0402" RESC1005X04N -41.75,26.875 r0 top value=10k (schematic designator R30)
R30_ICC2 "10k,5%,0.063W,0402" RESC1005X04N -70.25,-26.875 r180 top value=10k (schematic designator R30)
R30_ICC3 "10k,5%,0.063W,0402" RESC1005X04N -5.75,26.875 r0 top value=10k (schematic designator R30)
R30_ICC4 "10k,5%,0.063W,0402" RESC1005X04N -34.25,-26.875 r180 top value=10k (schematic designator R30)
R30_ICC5 "10k,5%,0.063W,0402" RESC1005X04N 34.25,26.875 r0 top value=10k (schematic designator R30)
R30_ICC6 "10k,5%,0.063W,0402" RESC1005X04N 5.75,-26.875 r180 top value=10k (schematic designator R30)
R30_ICC7 "10k,5%,0.063W,0402" RESC1005X04N 70.25,26.875 r0 top value=10k (schematic designator R30)
R30_ICC8 "10k,5%,0.063W,0402" RESC1005X04N 41.75,-26.875 r180 top value=10k (schematic designator R30)
R31_ICC1 "1k,0.1%,0.063W,0402" RESC1005X04N -54.5,20.25 r90 top value=1k (schematic designator R31)
R31_ICC2 "1k,0.1%,0.063W,0402" RESC1005X04N -57.5,-20.25 r270 top value=1k (schematic designator R31)
R31_ICC3 "1k,0.1%,0.063W,0402" RESC1005X04N -18.5,20.25 r90 top value=1k (schematic designator R31)